# Altium PCB Final_Fantasy.PcbDoc (part 2 of 3)
Units mm, origin at the board's own origin, x right, y up, seen from the top; angles counter-clockwise.
Board outline 152.4 x 101.6 mm, 4 copper layers (Component Side, Ground Plane, Power Plane, Solder Side), stack 0.651 mm thick; 184 components, 159 nets, 718 pads, 120 vias.
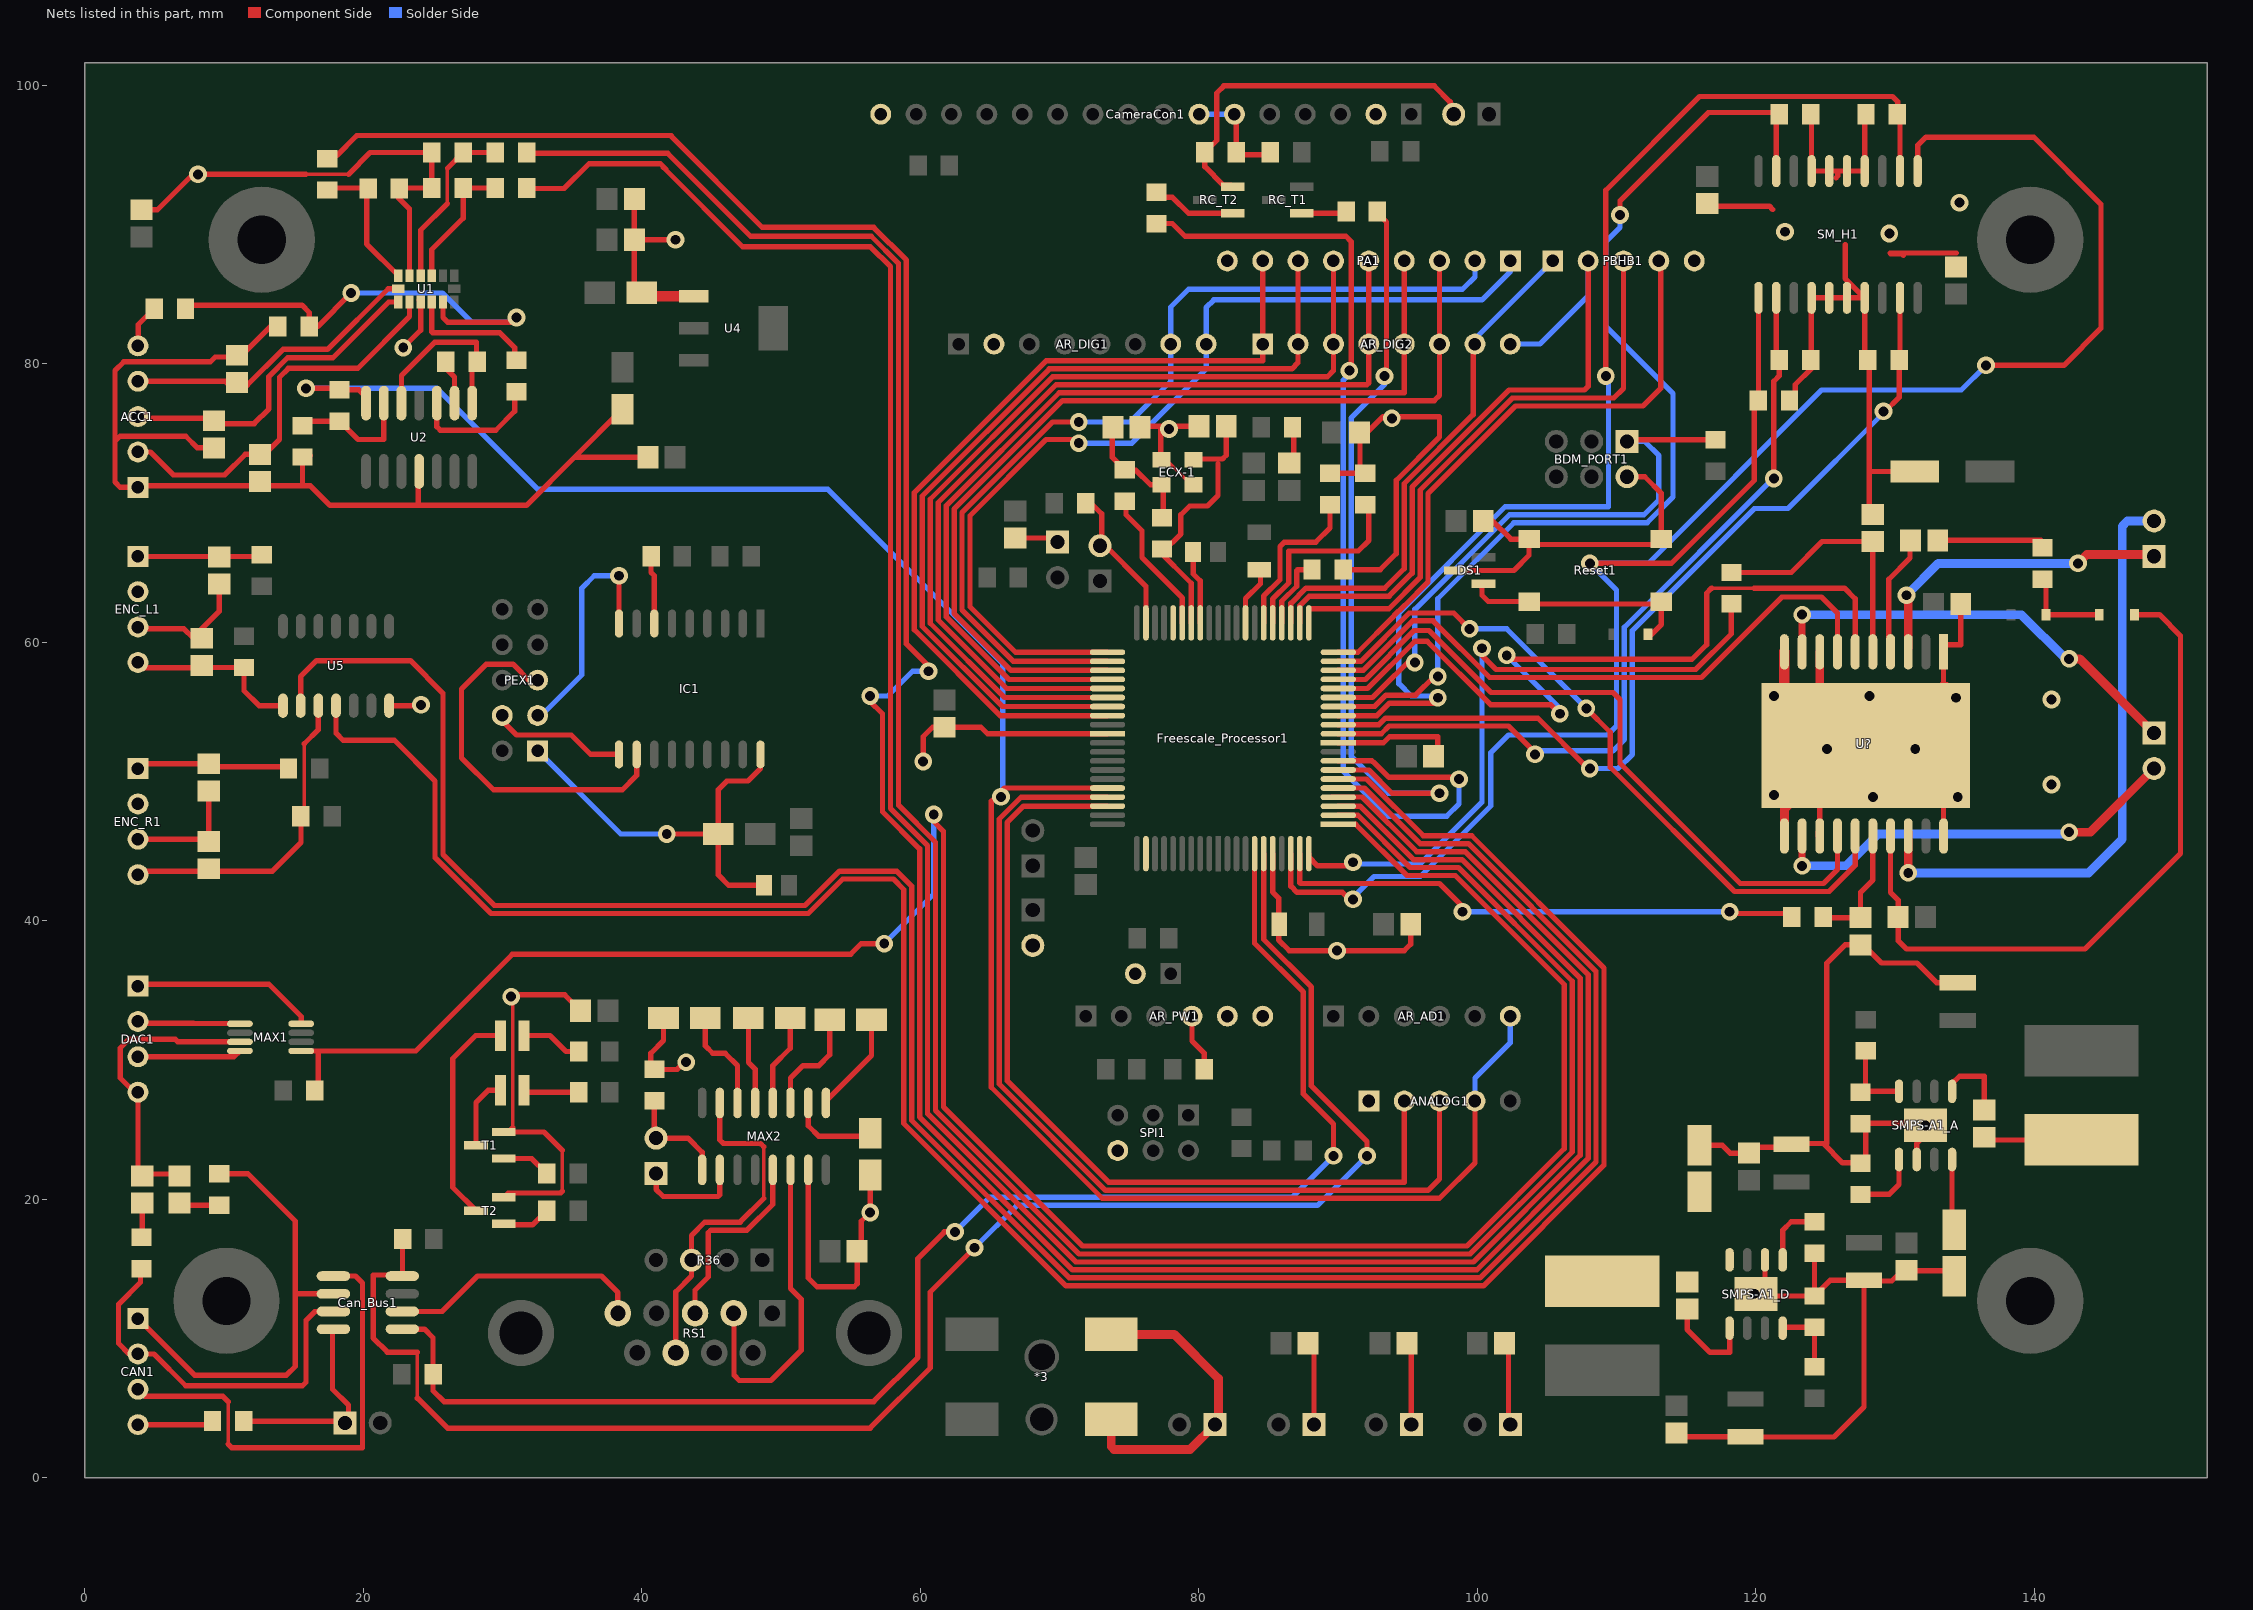
[diagram p4: the nets of this part, all layers, seen from the top]

## Via types
v1: diameter 1.27, hole 0.711, Component Side to Solder Side, 120 vias

## Nets (pads, with @x,y where several pads share a name; then routed paths per layer and width w, separated by ;. In a path a pad name is that pad's centre, name@x,y a point inside that pad or via, vN(x,y) a via of type N, cw(c..) or ccw(c..) an arc to the next point about the centre after c; other vN are vias at no path point) (continued)
AD5: ANALOG1.4 AR_AD1.6 Freescale_Processor1.56 R9.1 U2.7 | length 152.2
  Component Side w0.381: v1@16.129,78.105 16.256,78.232 18.18,78.232 R9.1@18.288,78.124 19.667,78.124 20.193,77.598 U2.7@20.193,77.163 ; Freescale_Processor1.56@73.437,49.524 66.034,49.524 65.087,48.578 65.087,28.038 73.06,20.066 97.282,20.066 99.822,22.606 ANALOG1.4@99.822,26.67
  Solder Side w0.381: v1(15.875,78.232) 25.273,78.232 32.512,70.993 53.34,70.993 65.913,58.42 65.913,49.022 v1(65.786,48.895) ; ANALOG1.4@99.822,27.051 99.822,28.702 102.362,31.242 AR_AD1.6@102.362,33.147
AD6: ANALOG1.3 Freescale_Processor1.57 | length 67.8
  Component Side w0.381: Freescale_Processor1.57@73.437,48.874 67.243,48.874 65.659,47.29 65.659,28.275 73.296,20.637 96.456,20.637 97.282,21.463 ANALOG1.3@97.282,26.67
AD7: ANALOG1.2 Freescale_Processor1.58 | length 63.2
  Component Side w0.381: Freescale_Processor1.58@73.437,48.224 67.401,48.224 66.23,47.053 66.23,28.511 73.533,21.209 94.742,21.209 ANALOG1.2@94.742,26.67
CTS: MAX2.7 R36.3 RS1.8 | length 24.9
  Component Side w0.254: 48.75,20.048 48.75,23.767
  Component Side w0.381: RS1.8@42.43,8.969 42.43,13.347 43.561,14.478 R36.3@43.561,15.621 43.561,17.399 44.514,18.351 47.053,18.351 48.75,20.048 ; MAX2.7@45.593,26.911 45.593,24.257 45.847,24.003 48.514,24.003 48.75,23.767
DAC_CS: Freescale_Processor1.1 MAX1.1 R18.1 | length 163.2
  Component Side w0.381: MAX1.1@15.535,30.648 16.764,30.648 ; R18.1@16.256,28.067 16.51,28.067 16.764,28.321 16.764,30.648 ; v1(57.404,38.354) 55.753,38.354 54.991,37.592 30.699,37.592 23.755,30.648 16.764,30.648 ; v1(60.96,47.625) 60.96,47.117 61.658,46.419 61.658,26.618 71.639,16.637 99.245,16.637 106.236,23.628 106.236,35.416 98.408,43.243 94.932,43.243 Freescale_Processor1.1@91.253,46.923
  Solder Side w0.381: v1(57.404,38.354) 60.96,41.91 v1(60.96,47.625)
GND: *3.2 *3.3 ACC1.1 ANALOG1.1 AR_DIG1.2 AR_PW1.4 AR_PW1.5 AR_PW1.6 BDM_PORT1.2 C1.2 C2.2 C3.2 C4.1 C5.1 C6.1 C9.1 C10.1 C11.1 C12.1 C13.1 C14.1 C15.1 C16.1 C17.1 C18.1 C19.1 C20.1 C21.1 C22.1 C24.1 C25.2 C26.2 C28.2 C30.1 C31.1 C32.1 C33.1 C34.1 C35.2 C36.2 C37.2 C38.1 C40.1 C42.2 C43.2 C44_A.2 C44_D.2 C45_A.2 C45_D.2 C47_A.1 C47_D.1 C48.1 C49.1 C50.2 C51.2 CameraCon1.2 CameraCon1.6 CameraCon1.7 CameraCon1.16 CAN1.4 Can_Bus1.2 CFil_1.2 CFil_2.2 D6_A.2 D6_D.2 DAC1.4 DS1.3 ECX-1.2 ECX-1.4 ENC_L1.3 ENC_R1.3 Freescale_Processor1.10 Freescale_Processor1.28 Freescale_Processor1.33 Freescale_Processor1.36 Freescale_Processor1.50 Freescale_Processor1.62 Freescale_Processor1.76 IC1.18 MAX1.7 MAX2.15 NO_AUTO1.1 PA1.9 PBHB1.5 PEX1.1 R1.1 R2.1 R6.2 R10.2 R11.2 R15.1 R21.2 R26.1 R32.1 R33.1 R38.1 R42.1 R43.1 R44.1 R45.1 R46.2 R49.1 R50.1 R51_A.2 R51_D.2 R53_A.1 R53_D.1 Reset1.1 Reset1.2 ROMCTL1.2 RS1.5 SM_H1.4 SM_H1.5 SM_H1.6 SM_H1.7 SM_H1.14 SM_H1.15 SM_H1.16 SM_H1.17 SMPS-A1_A.6 SMPS-A1_A.9 SMPS-A1_D.6 SMPS-A1_D.9 SPI1.6 T1.2 T2.2 U1.5 U1.10 U2.11 U4.1 U5.7 U?.1 U?.8 U?.10 U?.11 U?.13 U?.20 V1.1 VA1.1 VD1.1 VIN_IN1.1 VRL_EN1.2 | length 650.1
  Component Side w0.254: 15.875,93.599 18.923,93.599 ; 30.734,25.146 v1@30.734,34.671 ; 34.29,20.574 34.29,23.508 ; ECX-1.4@77.642,73.107 ECX-1.2@79.442,71.307
  Component Side w0.381: 2.286,74.549 2.528,74.791 7.239,74.791 8.075,73.955 C2.2@9.271,73.955 ; CAN1.4@3.81,3.81 8.654,3.81 R15.1@9.289,4.445 ; ENC_R1.3@3.81,45.847 8.722,45.847 C51.2@8.89,45.679 C49.1@8.89,49.317 ; ENC_L1.3@3.81,61.087 3.937,60.96 7.112,60.96 7.788,60.284 C50.2@8.382,60.284 8.382,60.96 9.652,62.23 9.652,63.922 C48.1@9.017,64.557 ; ACC1.1@3.81,71.12 2.54,71.12 2.159,71.501 2.159,79.502 2.794,80.137 9.017,80.137 9.357,80.477 11.135,80.477 13.335,82.677 R10.2@13.861,82.677 ; ACC1.1@3.81,71.628 4.211,71.227 15.621,71.227 ; C4.1@4.064,91.055 5.203,91.055 7.747,93.599 v1(8.128,93.599) 15.875,93.599 ; C6.1@4.126,21.676 C6.1@4.126,21.803 ; C5.1@6.309,21.803 C6.1@4.126,21.803 ; MAX1.7@11.135,31.298 6.675,31.298 6.477,31.496 3.175,31.496 2.54,30.861 2.54,28.702 3.81,27.432 3.81,22.119 C6.1@4.126,21.803 ; R6.2@16.199,73.404 15.621,72.826 15.621,71.227 ; 18.923,93.599 20.484,95.16 R1.1@24.91,95.16 ; U5.7@21.844,55.443 24.074,55.443 v1(24.13,55.499) ; Can_Bus1.2@22.795,11.938 25.654,11.938 28.194,14.478 37.084,14.478 38.275,13.287 RS1.5@38.275,11.809 ; v1(22.86,81.153) 24.111,82.404 U1.10@24.111,84.431 U1.10@23.992,84.55 ; U1.5@23.311,86.331 23.311,91.116 22.479,91.948 22.479,92.62 R11.2@24.91,92.62 R1.1@24.91,95.142 ; U2.11@24.003,72.263 23.946,72.206 23.946,69.83 ; T2.2@30.083,20.127 30.403,20.447 34.163,20.447 34.29,20.574 ; T1.2@30.083,24.826 T1.2@30.414,24.826 ; 30.734,25.146 T1.2@30.414,24.826 ; v1@30.734,34.671 34.458,34.671 C26.2@35.601,33.528 ; 34.29,23.508 32.972,24.826 T1.2@30.414,24.826 ; C43.2@38.608,76.732 35.155,73.279 ; CFil_1.2@39.456,91.821 CFil_2.2@39.456,88.9 ; C42.2@39.902,85.011 39.456,85.456 CFil_2.2@39.456,88.9 ; C22.1@40.427,73.279 35.155,73.279 ; R38.1@40.64,29.319 40.64,30.48 41.553,31.393 C30.1@41.553,33.02 ; R38.1@40.894,29.319 42.527,29.319 v1@42.926,29.718 ; v1(41.783,46.228) C25.2@45.49,46.228 ; v1@42.672,88.9 v1(42.418,88.9) CFil_2.2@39.456,88.9 ; IC1.18@48.514,51.943 48.514,50.927 47.625,50.038 46.101,50.038 45.49,49.427 C25.2@45.49,46.228 ; C24.1@48.757,42.545 46.228,42.545 45.49,43.283 C25.2@45.49,46.228 ; MAX2.15@51.943,22.111 51.943,14.351 52.578,13.716 55.245,13.716 55.458,13.929 C20.1@55.458,16.256 55.753,16.551 55.753,18.415 v1(56.388,19.05) C28.2@56.388,21.741 ; v1(60.198,51.435) 60.198,53.213 60.874,53.889 C13.1@61.722,53.889 64.348,53.889 64.811,53.426 Freescale_Processor1.50@73.437,53.426 ; C21.1@66.802,67.478 69.555,67.478 NO_AUTO1.1@69.85,67.183 ; C16.1@75.778,75.438 75.838,75.498 v1@77.267,75.498 ; ECX-1.4@77.642,73.107 ECX-1.4@77.308,73.107 77.267,73.148 v1@77.267,75.498 ; ECX-1.2@79.442,71.307 ECX-1.2@79.608,71.307 ; AR_PW1.4@79.502,33.147 79.502,31.369 80.373,30.498 R26.1@80.373,29.337 ; C10.1@79.583,66.481 79.594,66.47 79.594,64.911 80.097,64.408 Freescale_Processor1.33@80.097,61.386 ; C15.1@80.016,75.498 v1@77.267,75.498 ; CameraCon1.6@82.55,97.917 82.675,97.792 R50.1@82.675,95.184 ; R50.1@82.677,95.014 85.081,95.014 R49.1@85.124,95.057 ; Freescale_Processor1.28@83.348,61.386 83.348,63.123 84.42,64.195 C14.1@84.42,65.131 ; Freescale_Processor1.76@85.299,44.815 85.299,42.061 85.725,41.635 85.725,38.608 86.487,37.846 v1(89.916,37.846) 94.742,37.846 95.209,38.313 C19.1@95.209,39.751 ; C32.1@87.843,9.652 88.265,9.23 VA1.1@88.265,3.81 ; R33.1@89.535,72.136 R32.1@91.562,72.136 ; Freescale_Processor1.10@90.008,52.776 93.254,52.776 93.691,53.213 97.155,53.213 97.155,52.111 C11.1@96.86,51.816 ; R21.2@90.371,65.211 93.024,65.211 94.17,66.358 94.17,71.622 97.282,74.734 97.282,76.2 93.218,76.2 91.567,74.549 91.567,72.583 91.562,72.577 R32.1@91.562,72.136 ; C31.1@94.701,9.652 95.25,9.103 VD1.1@95.25,3.81 ; DS1.3@98.298,65.151 DS1.3@98.441,65.151 102.616,65.151 103.708,66.243 103.708,67.02 113.208,67.02 Reset1.2@113.208,67.401 113.208,70.688 112.014,71.882 BDM_PORT1.2@110.744,71.882 ; C17.1@100.416,68.707 101.092,68.707 102.398,67.401 Reset1.1@103.708,67.401 ; C33.1@101.94,9.652 102.235,9.357 102.235,3.937 V1.1@102.362,3.81 ; C18.1@114.3,3.216 114.3,3.048 114.398,2.95 C47_D.1@119.253,2.95 119.282,2.921 125.603,2.921 127.762,5.08 C44_A.2@127.762,14.169 ; D6_D.2@115.951,23.882 117.578,23.882 118.151,23.309 C45_D.2@119.507,23.309 119.507,23.731 122.221,23.731 C44_D.2@122.555,24.065 ; C34.1@116.504,91.5 116.691,91.313 120.968,91.313 121.203,91.078 ; SMPS-A1_D.6@120.65,15.64 120.65,13.825 SMPS-A1_D.9@120.015,13.19 120.16,13.045 R51_D.2@124.206,13.045 ; C44_D.2@122.62,24.003 124.841,24.003 126.231,22.613 127.889,22.613 127.889,25.419 127.865,25.443 132.038,25.443 v1(132.183,25.298) 132.183,24.639 131.548,24.004 SMPS-A1_A.6@131.548,22.848 ; R46.2@122.825,77.587 122.825,78.502 123.979,79.656 123.979,84.713 SM_H1.4@123.997,84.731 SM_H1.5@125.267,84.731 SM_H1.6@126.537,84.731 SM_H1.7@127.807,84.731 ; R45.1@123.934,97.917 123.997,97.854 SM_H1.17@123.997,93.831 SM_H1.16@125.267,93.831 125.875,93.831 ; R53_D.1@124.206,16.129 R51_D.2@124.206,13.045 ; U?.13@124.587,46.333 124.587,48.827 125.095,48.827 U?.1@125.222,48.954 ; U?.8@124.587,59.309 U?.8@124.587,59.563 ; 125.095,24.003 125.095,36.957 126.406,38.268 C40.1@127.508,38.268 127.721,38.268 129.032,36.957 131.572,36.957 132.991,35.538 C47_A.1@134.493,35.538 ; 125.748,93.345 125.875,93.472 125.875,93.831 ; 126.41,88.538 126.41,86.128 SM_H1.7@127.807,84.731 ; R43.1@127.907,97.917 127.807,97.817 SM_H1.14@127.807,93.831 SM_H1.15@126.537,93.831 125.875,93.831 ; C36.2@128.397,69.174 128.143,69.428 128.143,72.263 ; 130.601,87.776 130.474,87.903 129.675,87.903 129.63,87.948 134.411,87.948 ; C37.2@131.412,72.263 128.143,72.263 ; U?.20@133.477,46.333 U?.1@133.477,48.895 ; U?.1@134.052,49.982 134.052,50.486 134.502,50.936 132.715,52.722 132.715,55.934 133.724,56.943 133.35,56.943 133.477,57.07 U?.1@133.477,59.309 133.477,59.563 133.731,59.817 134.706,59.817 C38.1@134.706,62.738 C38.1@134.706,63.119 ; D6_A.2@134.366,14.479 133.986,14.859 130.876,14.859 130.683,15.052 129.753,14.122 127.809,14.122 C44_A.2@127.762,14.169 ; 15.621,71.227 16.199,71.227 17.596,69.83 23.946,69.83 ; 23.946,69.83 31.706,69.83 35.155,73.279 ; R32.1@91.562,72.136 91.841,72.136 91.562,71.856 R32.1@91.562,72.136 ; R51_D.2@124.206,13.045 125.33,14.169 C44_A.2@127.762,14.169 ; SM_H1.7@127.807,84.731 127.807,80.491 R44.1@128.034,80.264 128.143,80.155 128.143,72.263
  Component Side w0.635: *3.2@73.707,4.191 73.707,2.239 73.914,2.032 79.375,2.032 VIN_IN1.1@81.153,3.81 81.407,4.064 81.407,7.112 78.228,10.291 *3.3@73.707,10.291 ; U?.11@122.047,46.079 122.047,48.006 126.619,52.578 U?.1@127.889,52.578 ; U?.13@124.587,46.079 U?.13@124.587,46.333 ; U?.1@124.587,48.827 124.587,49.276 U?.1@127.889,52.578 ; U?.8@124.587,59.309 124.587,55.88 U?.1@127.889,52.578
  Component Side w0.762: C42.2@39.981,85.09 40.221,84.85 U4.1@43.727,84.85 ; U?.1@122.047,56.261 U?.10@122.047,59.309
  Solder Side w0.381: PEX1.1@32.639,52.072 38.483,46.228 v1(41.783,46.228) v1@41.91,46.228 ; CameraCon1.7@80.01,97.917 CameraCon1.6@82.55,97.917
  other v1: 119.888,13.208 43.18,29.845 30.607,34.544 128.397,48.895 134.493,48.895 121.285,49.022 141.224,49.784 125.095,52.324 131.445,52.324 141.224,55.88 134.366,56.007 121.285,56.134 128.143,56.134 77.851,75.311 93.853,76.073 129.585,89.345 122.092,89.472 134.62,91.567
IRQ: Freescale_Processor1.39 INT1.2 R28.1 | length 10.8
  Component Side w0.381: R28.1@71.864,69.977 72.263,69.977 73.025,69.215 73.025,67.31 72.898,67.183 73.025,67.183 76.195,64.013 Freescale_Processor1.39@76.195,61.386
MODA: Freescale_Processor1.26 R33.2 | length 11.8
  Component Side w0.381: Freescale_Processor1.26@84.648,61.386 84.648,63.312 85.817,64.481 85.817,66.862 86.137,67.183 88.392,67.183 89.408,68.199 R33.2@89.408,69.868
MODB: Freescale_Processor1.25 R32.2 | length 14.4
  Component Side w0.381: Freescale_Processor1.25@85.299,61.386 85.299,63.103 86.452,64.256 86.452,66.548 91.44,66.548 92.202,67.31 92.202,69.614 R32.2@91.948,69.868
MODC-BK: BDM_PORT1.1 Freescale_Processor1.15 R30.2 | length 43.9
  Component Side w0.381: Freescale_Processor1.15@90.008,56.027 92.464,56.027 93.206,56.769 93.218,56.769 94.996,58.547 v1(95.504,58.547) ; BDM_PORT1.1@110.744,74.422 110.853,74.531 R30.2@117.094,74.531 R30.2@117.602,74.531
  Solder Side w0.381: v1(95.504,58.547) 95.504,62.357 102.298,69.151 111.95,69.151 113.03,70.231 113.03,73.406 112.014,74.422 BDM_PORT1.1@110.744,74.422
NetACC1_2: ACC1.2 C3.1 U1.9 | length 28.6
  Component Side w0.381: ACC1.2@3.81,73.66 4.699,73.66 6.35,72.009 10.033,72.009 11.516,73.492 C3.1@12.573,73.492 12.913,73.492 13.97,74.549 13.97,79.029 14.607,79.666 19.595,79.666 23.311,83.382 U1.9@23.311,84.431
NetACC1_3: ACC1.3 C2.1 U1.8 | length 23.9
  Component Side w0.381: ACC1.3@3.81,76.2 3.937,76.073 9.144,76.073 9.525,75.692 12.155,75.692 13.208,76.745 13.208,79.075 14.561,80.428 17.817,80.428 21.82,84.431 U1.8@22.503,84.431
NetACC1_4: ACC1.4 C1.1 U1.7 | length 21.3
  Component Side w0.381: ACC1.4@3.81,78.74 10.074,78.74 C1.1@10.287,78.527 ; C1.1@10.668,78.458 11.656,78.458 14.224,81.026 17.427,81.026 21.782,85.381 U1.7@22.511,85.381
NetACC1_5: ACC1.5 R7.1 | length 3
  Component Side w0.381: ACC1.5@3.955,81.425 3.828,81.552 3.828,82.804 R7.1@4.971,83.947
NetC5_2: C5.2 R16.1 | length 2.9
  Component Side w0.381: C5.2@6.793,19.726 6.943,19.576 R16.1@9.652,19.576
NetC6_2: C6.2 R17.1 | length 2.5
  Component Side w0.381: R17.1@3.999,17.254 4.126,17.381 C6.2@4.126,19.726
NetC7_2: C7.2 R19.1 | length 2.7
  Component Side w0.381: R19.1@86.815,75.371 86.815,72.681 C7.2@86.848,72.648
NetC15_2: C15.2 ECX-1.3 Freescale_Processor1.34 R23.2 | length 19.6
  Component Side w0.381: R23.2@77.089,66.591 79.446,64.234 Freescale_Processor1.34@79.446,61.386 ; R23.2@77.435,66.499 78.705,67.769 78.705,69.148 79.34,69.783 80.61,69.783 81.372,70.545 81.372,72.831 ; ECX-1.3@79.608,72.853 79.906,73.152 81.692,73.152 81.966,73.425 C15.2@81.966,75.498
NetC16_2: C16.2 ECX-1.1 R23.1 R25.2 | length 9.5
  Component Side w0.381: C16.2@73.406,75.184 74.041,75.184 73.787,74.93 73.787,73.261 R25.2@74.676,72.372 75.456,72.372 76.521,71.307 ECX-1.1@77.308,71.307 ; R23.1@76.927,68.767 77.435,69.275 77.435,70.926 ECX-1.1@77.308,71.053
NetC27_1: C27.1 MAX2.1 | length 7.6
  Component Side w0.381: MAX2.1@53.213,26.911 MAX2.1@53.213,27.051 ; MAX2.1@53.213,27.305 MAX2.1@53.213,27.051 ; C27.1@56.491,32.893 56.491,30.329 MAX2.1@53.213,27.051
NetC27_2: C27.2 MAX2.3 | length 7.8
  Component Side w0.381: MAX2.3@50.673,26.911 50.673,28.702 51.562,29.591 52.705,29.591 53.491,30.377 C27.2@53.491,32.893
NetC28_1: C28.1 MAX2.2 | length 6.7
  Component Side w0.381: MAX2.2@51.943,26.911 51.943,25.273 52.705,24.511 C28.1@56.666,24.511
NetC29_1: C29.1 MAX2.4 | length 6.6
  Component Side w0.381: MAX2.4@49.403,26.911 49.403,29.591 50.649,30.837 C29.1@50.649,33.02
NetC29_2: C29.2 MAX2.5 | length 6.3
  Component Side w0.381: C29.2@47.649,33.02 47.649,29.821 48.133,29.337 MAX2.5@48.133,26.911
NetC30_2: C30.2 MAX2.6 | length 7.6
  Component Side w0.381: C30.2@44.553,33.02 44.553,31.012 45.085,30.48 45.974,30.48 46.863,29.591 MAX2.6@46.863,26.911
NetC36_1: C36.1 R47.1 U?.5 | length 18.8
  Component Side w0.381: R47.1@118.237,65.006 122.537,65.006 124.755,67.224 C36.1@128.397,67.224 128.397,59.563 U?.5@128.356,59.604
NetC39_1: C39.1 Rp1.2 | length 8.1
  Component Side w0.381: C39.1@133.055,67.31 140.444,67.31 Rp1.2@140.97,66.784
NetC39_2: C39.2 U?.4 | length 8.4
  Component Side w0.381: U?.4@129.667,59.563 129.54,59.69 129.54,64.516 131.064,66.04 131.064,67.269 C39.2@131.105,67.31
NetC40_2: C40.2 R48.1 U?.16 | length 9.1
  Component Side w0.381: R48.1@124.95,40.259 124.991,40.218 C40.2@127.508,40.218 127.508,42.037 128.397,42.926 U?.16@128.397,46.079 U?.16@128.397,46.333
NetC41_2: C41.2 D5.K U?.17 | length 50.9
  Component Side w0.381: U?.17@129.667,46.333 U?.17@129.667,46.079 129.667,42.037 130.216,41.488 C41.2@130.216,40.259 130.216,38.567 130.81,37.973 143.637,37.973 150.495,44.831 150.495,60.452 148.971,61.976 D5.K@147.187,61.976
NetC46_A_1: C46_A.1 D6_A.1 L2_A.1 SMPS-A1_A.8 | length 12.7
  Component Side w0.381: D6_A.1@134.088,17.249 SMPS-A1_A.8@134.088,22.848 ; C46_A.1@136.398,24.45 136.591,24.257 L2_A.1@143.383,24.257
NetC46_A_2: C46_A.2 SMPS-A1_A.1 | length 5.5
  Component Side w0.381: SMPS-A1_A.1@134.088,27.748 134.088,28.297 134.62,28.829 136.398,28.829 C46_A.2@136.398,26.4
NetC46_D_1: C46_D.1 D6_D.1 L2_D.1 SMPS-A1_D.8
NetC46_D_2: C46_D.2 SMPS-A1_D.1 | length 7
  Component Side w0.381: C46_D.2@115.316,12.088 115.062,11.834 115.062,10.65 116.713,8.999 118.11,8.999 SMPS-A1_D.1@118.11,10.74
NetC48_2: C48.2 ENC_L1.1 R54.2 | length 9
  Component Side w0.381: ENC_L1.1@3.81,66.167 3.828,66.149 12.573,66.149 R54.2@12.7,66.276
NetC49_2: C49.2 ENC_R1.1 R55.2 | length 11.1
  Component Side w0.381: ENC_R1.1@3.81,50.927 4.15,51.267 8.677,51.267 8.89,51.054 14.496,51.054 R55.2@14.623,51.181
NetC50_1: C50.1 ENC_L1.4 R56.1 U5.1 | length 12.8
  Component Side w0.381: ENC_L1.4@3.81,58.547 4.191,58.166 8.214,58.166 C50.1@8.382,58.334 8.532,58.184 R56.1@11.43,58.184 11.43,56.515 12.502,55.443 U5.1@14.224,55.443
NetC51_1: C51.1 ENC_R1.4 R57.1 U5.3 | length 23
  Component Side w0.254: R57.1@15.748,47.734 15.748,52.705
  Component Side w0.381: ENC_R1.4@3.81,43.307 4.064,43.561 13.462,43.561 15.512,45.611 R57.1@15.512,47.498 R57.1@15.748,47.734 ; 15.748,52.705 16.764,53.721 U5.3@16.764,55.443
NetCAN1_1: CAN1.1 Can_Bus1.6 R16.2 | length 33.3
  Component Side w0.381: CAN1.1@3.81,11.43 7.874,7.366 14.478,7.366 15.113,8.001 15.113,13.081 ; R16.2@9.652,21.826 11.702,21.826 15.113,18.415 15.113,13.081 ; Can_Bus1.6@17.78,13.208 15.24,13.208 15.113,13.081
NetCAN1_2: CAN1.2 Can_Bus1.7 R17.2 | length 27.5
  Component Side w0.381: R17.2@3.999,15.004 3.999,14.032 2.413,12.446 2.413,9.652 3.175,8.89 CAN1.2@3.81,8.89 4.953,8.89 7.239,6.604 15.621,6.604 15.875,6.858 15.875,11.303 16.51,11.938 Can_Bus1.7@17.78,11.938
NetCAN1_3: CAN1.3 Can_Bus1.5 | length 33.8
  Component Side w0.254: 10.287,2.413 10.287,5.461
  Component Side w0.381: CAN1.3@3.81,6.35 4.318,5.842 9.906,5.842 10.287,5.461 ; 10.287,2.413 10.541,2.159 19.939,2.159 19.939,13.97 19.431,14.478 Can_Bus1.5@17.845,14.478 Can_Bus1.5@17.78,14.478
NetCan_Bus1_1: Can_Bus1.1 Freescale_Processor1.74 R14.1 | length 106.8
  Component Side w0.381: Can_Bus1.1@22.73,10.668 Can_Bus1.1@22.795,10.668 24.384,10.668 25.001,10.051 R14.1@25.001,7.429 25.001,6.241 25.781,5.461 56.642,5.461 59.817,8.636 59.817,15.748 61.722,17.653 v1(62.484,17.653) ; Freescale_Processor1.74@83.998,44.815 83.998,38.384 87.503,34.879 87.503,27.559 89.662,25.4 v1(89.662,23.114)
  Solder Side w0.381: v1(62.484,17.653) 64.96,20.129 86.677,20.129 v1(89.662,23.114)
NetCan_Bus1_4: Can_Bus1.4 Freescale_Processor1.75 R13.1 | length 121.3
  Component Side w0.254: 23.876,5.715 23.876,9.017
  Component Side w0.381: R13.1@22.813,17.145 22.813,14.561 20.701,14.561 20.701,10.033 21.717,9.017 23.876,9.017 ; 23.876,5.715 26.035,3.556 56.388,3.556 60.706,7.874 60.706,13.335 v1(63.881,16.51) ; Freescale_Processor1.75@84.648,44.815 84.648,38.669 88.075,35.242 88.075,28.13 92.075,24.13 v1(92.075,23.114)
  Solder Side w0.381: v1(63.881,16.51) 66.929,19.558 88.519,19.558 v1(92.075,23.114)
NetCan_Bus1_8: Can_Bus1.8 P1.1 R15.2 | length 14.6
  Component Side w0.381: R15.2@11.539,4.445 11.92,4.064 18.923,4.064 18.923,5.207 17.78,6.35 Can_Bus1.8@17.78,10.668
NetCTS_RTS1_1: CTS_RTS1.1 MAX2.10 | length 8.2
  Component Side w0.381: CTS_RTS1.1@41.021,22.225 CTS_RTS1.1@41.021,21.844 41.021,20.701 41.529,20.193 45.466,20.193 45.593,20.32 MAX2.10@45.593,22.111
NetCTS_RTS1_2: CTS_RTS1.2 MAX2.9 R38.2 | length 7.5
  Component Side w0.381: R38.2@40.894,27.069 40.894,24.892 41.402,24.384 43.307,24.384 44.323,23.368 MAX2.9@44.323,22.111
NetD1_K: D1.K DS1.1 Reset1.3 Reset1.4 | length 16.8
  Component Side w0.381: DS1.1@100.06,64.201 100.33,63.931 100.33,63.373 100.774,62.928 103.299,62.928 103.49,62.738 113.208,62.738 113.208,61.265 D1.K@112.328,60.385
NetD2_1: D2.1 T1.3 | length 5.2
  Component Side w0.381: T1.3@28.083,23.876 28.083,26.94 28.956,27.813 D2.1@29.845,27.813
NetD2_2: D2.2 R34.2 | length 4
  Component Side w0.381: D2.2@31.545,27.813 31.672,27.686 R34.2@35.451,27.686
NetD3_1: D3.1 T2.3 | length 15.7
  Component Side w0.381: T2.3@28.083,19.177 26.416,20.844 26.416,30.099 28.067,31.75 D3.1@29.845,31.75
NetD3_2: D3.2 R39.1 | length 4.4
  Component Side w0.381: D3.2@31.545,31.75 33.401,31.75 34.544,30.607 R39.1@35.451,30.607
NetD4_K: D4.K D5.A Rp1.1 | length 6.4
  Component Side w0.381: Rp1.1@140.97,64.534 140.837,64.401 D4.K@140.837,61.976 D5.A@144.659,61.976
NetDAC1_1: DAC1.1 MAX1.4 | length 13.2
  Component Side w0.381: DAC1.1@3.81,35.306 3.937,35.433 13.208,35.433 15.535,33.106 MAX1.4@15.535,32.598
NetDAC1_2: DAC1.2 MAX1.5 | length 6.8
  Component Side w0.381: DAC1.2@4.064,32.639 7.665,32.639 ; 7.792,32.639 7.665,32.639 ; MAX1.5@10.754,32.598 7.665,32.639
NetDAC1_3: DAC1.3 MAX1.8 | length 7.5
  Component Side w0.381: DAC1.3@3.81,30.226 10.713,30.226 MAX1.8@11.135,30.648
NetDCL1_1: DCL1.1 U?.3 | length 22
  Component Side w0.381: DCL1.1@148.463,66.294 DCL1.1@148.59,66.167
  Component Side w0.635: U?.3@130.937,59.563 v1@130.937,62.865 ; v1(143.129,65.659) 143.764,66.294 DCL1.1@148.463,66.294
  Solder Side w0.635: v1(130.81,63.373) 133.096,65.659 v1@142.748,65.659
NetDCL1_2: DCL1.2 U?.18 | length 43.8
  Component Side w0.635: v1@130.937,43.815 U?.18@130.937,46.079 U?.18@130.937,46.333
  Solder Side w0.635: v1(130.937,43.434) 143.891,43.434 146.304,45.847 146.304,68.326 146.685,68.707 DCL1.2@148.59,68.707
NetDCR1_1: DCR1.1 U?.9 | length 31.2
  Component Side w0.508: U?.9@123.317,59.563 v1(123.317,61.976)
  Component Side w0.635: v1(142.494,58.801) 143.256,58.801 DCR1.1@148.59,53.467
  Solder Side w0.635: v1(123.317,61.976) 139.065,61.976 142.24,58.801 v1(142.494,58.801)
NetDCR1_2: DCR1.2 U?.12 | length 30.3
  Component Side w0.508: v1@123.317,44.196 U?.12@123.317,46.079 U?.12@123.317,46.333
  Component Side w0.635: v1(142.494,46.355) 144.018,46.355 DCR1.2@148.59,50.927
  Solder Side w0.635: v1(123.317,43.942) 126.492,43.942 128.778,46.228 142.367,46.228 v1(142.494,46.355)
NetENC_L1_2: ENC_L1.2
NetENC_R1_2: ENC_R1.2
NetFreescale_Processor1_2: Freescale_Processor1.2 R4.1 | length 178.9
  Component Side w0.381: R4.1@31.732,95.16 31.789,95.103 41.853,95.103 47.802,89.154 56.469,89.154 58.42,87.203 58.42,48.298 61.087,45.631 61.087,26.381 71.402,16.065 99.482,16.065 106.807,23.391 106.807,35.652 98.644,43.815 95.169,43.815 91.411,47.574 Freescale_Processor1.2@90.008,47.574
NetFreescale_Processor1_3: Freescale_Processor1.3 R5.1 | length 181.8
  Component Side w0.381: R5.1@31.732,92.62 31.769,92.583 34.417,92.583 36.195,94.361 41.325,94.361 41.726,93.96 ; 41.529,94.107 47.244,88.392 56.423,88.392 57.848,86.966 57.848,48.061 60.515,45.394 60.515,26.144 71.166,15.494 99.718,15.494 107.379,23.154 107.379,35.889 98.881,44.386 95.406,44.386 91.569,48.224 Freescale_Processor1.3@90.008,48.224
NetFreescale_Processor1_4: Freescale_Processor1.4 R3.1 | length 204.8
  Component Side w0.381: R3.1@18.104,94.958 19.52,96.374 41.736,96.394 42.086,96.394 42.107,96.373 ; 42.082,96.348 48.641,89.789 56.642,89.789 58.991,87.439 58.991,59.88 60.579,58.293 v1(60.579,57.912) ; v1(56.388,56.134) 56.388,55.753 57.277,54.864 57.277,47.825 59.944,45.158 59.944,25.908 70.929,14.922 99.955,14.922 107.95,22.917 107.95,36.126 99.118,44.958 95.643,44.958 91.72,48.88 Freescale_Processor1.4@89.535,48.88
  Solder Side w0.381: v1(56.388,56.134) 57.658,56.134 59.436,57.912 v1(60.579,57.912)
NetFreescale_Processor1_5: Freescale_Processor1.5 U5.2 | length 173.7
  Component Side w0.381: U5.2@15.494,55.443 15.494,57.531 16.637,58.674 23.368,58.674 25.717,56.325 25.717,44.767 29.4,41.084 51.706,41.084 54.183,43.561 58.293,43.561 59.372,42.481 59.372,25.671 70.692,14.351 100.192,14.351 108.521,22.681 108.521,36.363 99.355,45.529 95.879,45.529 91.885,49.524 Freescale_Processor1.5@90.008,49.524
NetFreescale_Processor1_6: Freescale_Processor1.6 U5.4 | length 167.1
  Component Side w0.381: U5.4@18.034,55.443 18.034,53.467 18.542,52.959 22.225,52.959 25.146,50.038 25.146,44.531 29.164,40.513 51.943,40.513 54.419,42.989 58.056,42.989 58.801,42.245 58.801,25.434 70.456,13.779 100.429,13.779 109.093,22.444 109.093,36.599 99.591,46.101 96.116,46.101 92.043,50.175 Freescale_Processor1.6@90.008,50.175
NetFreescale_Processor1_7: Freescale_Processor1.7 RC_R1.1 | length 55.9
  Component Side w0.381: Freescale_Processor1.7@90.008,50.825 92.201,50.825 93.876,49.149 v1(97.282,49.149) ; RC_R1.1@92.565,90.551 93.091,90.551 93.472,90.17 93.472,79.248 v1(93.333,79.109)
  Solder Side w0.381: v1(93.333,79.109) 93.333,78.498 90.932,76.097 90.932,51.816 93.599,49.149 v1(97.282,49.149)
NetFreescale_Processor1_8: Freescale_Processor1.8 RC_R2.1 | length 73.3
  Component Side w0.381: RC_R2.1@76.962,90.061 78.087,90.061 78.994,89.154 90.551,89.154 90.932,88.773 v1@90.932,80.01 ; Freescale_Processor1.8@90.008,51.475 92.416,51.475 92.495,51.396 92.541,51.396 93.645,50.292 98.552,50.292 v1(98.679,50.165)
  Solder Side w0.381: v1(90.805,79.502) 90.932,79.375 90.361,78.803 90.361,50.736 93.599,47.498 97.79,47.498 98.679,48.387 v1(98.679,50.165)
NetFreescale_Processor1_11: Freescale_Processor1.11 R42.2 SM_H1.2 | length 58.4
  Component Side w0.381: Freescale_Processor1.11@90.008,53.426 93.096,53.426 93.645,53.975 102.235,53.975 104.14,52.07 v1(104.14,51.943) ; v1(121.285,71.755) 121.285,78.74 121.684,79.139 R42.2@121.684,80.264 121.457,80.491 SM_H1.2@121.457,84.731
  Solder Side w0.381: v1@104.267,51.943 104.521,52.197 109.728,52.197 110.553,53.023 110.553,61.07 121.239,71.755 v1(121.285,71.755)
NetFreescale_Processor1_12: Freescale_Processor1.12 R44.2 SM_H1.9 | length 65.6
  Component Side w0.381: Freescale_Processor1.12@90.008,54.076 92.938,54.076 93.408,54.546 104.331,54.546 107.95,50.927 v1(108.077,50.927) ; v1(129.159,76.581) 129.286,76.581 130.284,77.579 R44.2@130.284,80.264 130.347,80.327 SM_H1.9@130.347,84.731
  Solder Side w0.381: v1(108.077,50.927) 110.109,50.927 111.125,51.943 111.125,60.833 119.888,69.596 122.301,69.596 129.286,76.581 v1(129.159,76.581)
NetFreescale_Processor1_13: Freescale_Processor1.13 R43.2 SM_H1.12 | length 86.2
  Component Side w0.381: Freescale_Processor1.13@90.008,54.726 92.78,54.726 93.68,55.626 v1@97.282,55.626 ; v1(109.22,79.121) 109.22,92.456 115.951,99.187 129.812,99.187 130.175,98.824 130.175,97.917 130.347,97.745 SM_H1.12@130.347,93.831
  Solder Side w0.381: v1@97.536,56.134 95.25,56.134 94.361,57.023 94.361,62.103 101.981,69.723 109.41,69.723 109.41,78.93 v1(109.22,79.121)
  other v1: 97.155,56.007
NetFreescale_Processor1_14: Freescale_Processor1.14 R45.2 SM_H1.19 | length 75.5
  Component Side w0.381: Freescale_Processor1.14@90.008,55.376 92.622,55.376 93.443,56.197 95.567,56.197 96.901,57.531 v1(97.155,57.531) ; v1(110.236,90.678) 110.236,91.694 116.586,98.044 121.557,98.044 R45.2@121.684,97.917 121.684,97.808 121.457,97.581 SM_H1.19@121.457,93.831
  Solder Side w0.381: v1(97.155,57.531) 97.155,63.119 102.616,68.58 112.187,68.58 114.046,70.439 114.046,77.851 109.22,82.677 109.22,88.773 110.236,89.789 v1(110.236,90.678)
NetFreescale_Processor1_16: Freescale_Processor1.16 U?.6 | length 58.4
  Component Side w0.254: 116.824,63.881 119.888,63.881
  Component Side w0.381: Freescale_Processor1.16@90.008,56.677 92.11,56.677 95.504,60.071 96.393,60.071 100.965,55.499 105.283,55.499 v1(105.918,54.864) ; v1@102.134,58.775 115.417,58.775 116.459,59.817 116.459,63.516 116.824,63.881 ; 119.888,63.881 126.365,63.881 127.127,63.119 U?.6@127.127,59.563
  Solder Side w0.381: v1(102.108,59.055) 105.918,55.245 v1(105.918,54.864)
NetFreescale_Processor1_17: Freescale_Processor1.17 U?.14 | length 50.6
  Component Side w0.381: Freescale_Processor1.17@90.008,57.327 91.952,57.327 95.458,60.833 96.529,60.833 100.974,56.388 109.728,56.388 110.236,55.88 110.236,51.308 118.872,42.672 124.841,42.672 125.857,43.688 U?.14@125.857,46.079 U?.14@125.857,46.333
NetFreescale_Processor1_18: Freescale_Processor1.18 U?.7 | length 44.4
  Component Side w0.381: Freescale_Processor1.18@90.008,57.977 91.794,57.977 95.348,61.531 96.818,61.531 100.882,57.468 116.085,57.468 121.864,63.246 124.714,63.246 125.857,62.103 U?.7@125.857,59.563
NetFreescale_Processor1_19: Freescale_Processor1.19 U?.15 | length 51.5
  Component Side w0.381: Freescale_Processor1.19@90.008,58.628 91.631,58.628 95.107,62.103 98.298,62.103 v1(99.441,60.96) ; v1(107.823,55.245) 109.537,53.53 109.537,51.019 118.456,42.1 125.257,42.1 127.127,43.97 U?.15@127.127,46.079 U?.15@127.127,46.333
  Solder Side w0.381: v1(99.441,60.96) 102.108,60.96 v1(107.823,55.245)
NetFreescale_Processor1_24: Freescale_Processor1.24 R21.1 | length 5.7
  Component Side w0.381: Freescale_Processor1.24@85.949,61.386 85.949,62.945 87.023,64.019 87.023,65.148 87.087,65.211 R21.1@88.121,65.211 ; R21.1@87.74,64.957 R21.1@88.103,64.957
NetFreescale_Processor1_35: Freescale_Processor1.35 R25.1 | length 10.3
  Component Side w0.381: R25.1@74.768,69.995 74.768,69.148 75.911,68.005 75.911,66.075 78.809,63.177 78.809,61.399 Freescale_Processor1.35@78.796,61.386
NetFreescale_Processor1_78: Freescale_Processor1.78 R46.1 SM_H1.1 SM_H1.11 | length 143.5
  Component Side w0.381: Freescale_Processor1.78@86.599,44.815 86.599,42.479 87.041,42.037 90.297,42.037 90.805,41.529 v1(91.059,41.529) ; v1(108.077,65.659) 113.919,65.659 119.888,71.628 119.888,77.084 R46.1@120.16,77.356 120.16,77.597 R46.1@120.033,77.724 ; SM_H1.1@120.187,84.731 120.187,77.974 R46.1@120.205,77.956 ; SM_H1.11@131.617,93.831 131.617,95.676 132.207,96.266 139.954,96.266 144.78,91.44 144.78,82.55 142.113,79.883 v1(136.525,79.883)
  Solder Side w0.381: v1@90.805,41.402 92.583,43.18 95.894,43.18 100.965,48.251 100.965,52.07 102.235,53.34 109.347,53.34 109.982,53.975 109.982,63.754 v1(108.077,65.659) 112.268,65.659 124.714,78.105 134.747,78.105 v1(136.525,79.883)
NetFreescale_Processor1_79: Freescale_Processor1.79 R48.2 | length 38.7
  Component Side w0.381: Freescale_Processor1.79@87.249,44.815 87.249,42.735 87.312,42.672 97.282,42.672 98.933,41.021 v1(98.933,40.64) ; v1(118.11,40.64) 118.237,40.513 122.319,40.513 R48.2@122.573,40.259
  Solder Side w0.381: v1(98.933,40.64) v1(118.11,40.64)
NetFreescale_Processor1_80: Freescale_Processor1.80 R47.2 | length 47
  Component Side w0.381: Freescale_Processor1.80@87.9,44.815 87.9,44.561 88.519,43.942 90.805,43.942 v1(91.059,44.196) ; v1@100.33,59.055 101.346,58.039 115.669,58.039 118.237,60.607 R47.2@118.237,62.756
  Solder Side w0.381: v1@91.567,44.069 95.885,44.069 100.33,48.514 v1(100.33,59.563)
NetIC1_7: IC1.7 R58.1 | length 4.9
  Component Side w0.381: R58.1@40.658,66.169 40.658,65.008 40.894,64.772 IC1.7@40.894,61.343
NetMAX2_13: MAX2.13 RS1.3 | length 14.1
  Component Side w0.381: RS1.3@43.815,11.809 43.815,13.462 44.767,14.414 44.767,17.589 44.958,17.78 47.544,17.78 49.403,19.639 MAX2.13@49.403,22.111
NetMAX2_14: MAX2.14 RS1.2 | length 23.6
  Component Side w0.381: RS1.2@46.585,11.809 46.609,11.785 46.609,7.366 46.99,6.985 49.276,6.985 51.435,9.144 51.435,12.827 50.673,13.589 MAX2.14@50.673,22.111
NetR1_2: R1.2 R4.2 U1.4 | length 12.4
  Component Side w0.254: 26.035,91.506 26.035,94.035
  Component Side w0.381: U1.4@24.111,86.331 24.111,89.582 26.035,91.506 ; 26.035,94.035 R1.2@27.16,95.16 R4.2@29.482,95.16
NetR2_2: R2.2 R3.2 U1.6 | length 9.6
  Component Side w0.381: R3.2@17.889,92.62 20.229,92.62 20.229,88.605 U1.6@22.503,86.331
NetR5_2: R5.2 R11.1 U1.3 | length 9.5
  Component Side w0.381: U1.3@24.911,86.331 24.911,88.194 27.16,90.443 R11.1@27.16,92.62 R5.2@29.482,92.62
NetR6_1: R6.1 R9.2 U2.6 | length 8.8
  Component Side w0.381: R6.1@15.875,75.874 R9.2@18.288,75.874 19.613,74.549 21.463,74.549 U2.6@21.463,77.163
NetR7_2: R7.2 R10.1 U1.12 | length 34.2
  Component Side w0.381: R7.2@7.112,83.675 7.638,84.201 15.585,84.201 16.111,83.675 R10.1@16.111,82.677 16.727,82.677 v1(19.12,85.07) ; U1.12@25.711,84.431 25.711,83.322 26.052,82.981 30.988,82.981 v1(30.988,83.312)
  Solder Side w0.381: v1(19.12,85.07) 25.674,85.07 27.763,82.981 30.657,82.981 v1(30.988,83.312)
NetR8_1: R8.1 U2.2 | length 3.3
  Component Side w0.381: R8.1@25.545,80.047 25.545,80.029 26.543,79.031 U2.2@26.543,77.163
NetR8_2: R8.2 U2.1 U2.5 | length 12.7
  Component Side w0.381: U2.5@22.733,77.163 22.733,79.158 25.109,81.534 28.119,81.534 R8.2@28.119,79.736 ; R8.2@27.795,79.736 27.795,77.181 U2.1@27.813,77.163
NetR12_1: R12.1 U1.11 | length 9.7
  Component Side w0.381: U1.11@24.911,84.431 24.911,82.297 24.976,82.233 29.781,82.233 30.861,81.153 30.861,80.41 R12.1@30.607,80.156
NetR12_2: R12.2 U2.3 | length 9.4
  Component Side w0.381: U2.3@25.273,77.163 25.273,75.475 25.527,75.221 29.501,75.221 30.861,76.581 30.861,77.652 R12.2@30.607,77.906
NetR35_2: R35.2 T1.1 | length 3.5
  Component Side w0.381: T1.1@30.083,22.926 32.083,22.926 R35.2@33.165,21.844
NetR37_1: R37.1 T2.1 | length 3.5
  Component Side w0.381: T2.1@30.083,18.227 30.149,18.161 32.149,18.161 R37.1@33.165,19.177
NetR50_2: R50.2 RC_T2.2 ServoMotor1.2 | length 26.7
  Component Side w0.381: R50.2@80.425,95.665 R50.2@80.425,95.184 81.28,96.039 81.28,99.441 81.788,99.949 96.901,99.949 98.044,98.806 ServoMotor1.2@98.044,97.917 ; R50.2@80.427,95.014 80.427,94.148 81.743,92.832 RC_T2.2@82.296,92.832
NetR51_A_1: R51_A.1 R52_A.1 SMPS-A1_A.4 | length 5
  Component Side w0.381: R52_A.1@127.865,30.269 127.865,27.693 127.92,27.748 SMPS-A1_A.4@130.278,27.748
NetR51_D_1: R51_D.1 R52_D.1 SMPS-A1_D.4 | length 5.1
  Component Side w0.381: SMPS-A1_D.4@121.92,10.74 121.975,10.795 R51_D.1@124.206,10.795 R52_D.1@124.206,7.965
NetR53_A_2: R53_A.2 SMPS-A1_A.5 | length 4.5
  Component Side w0.381: R53_A.2@127.889,20.363 129.583,20.363 130.278,21.058 SMPS-A1_A.5@130.278,22.848
NetR53_D_2: R53_D.2 SMPS-A1_D.5 | length 4.7
  Component Side w0.381: SMPS-A1_D.5@121.92,15.64 121.92,17.762 122.537,18.379 R53_D.2@124.206,18.379
NetRC_R1_2: RC_R1.2 RC_T1.1 | length 3.6
  Component Side w0.381: RC_T1.1@86.823,90.805 RC_T1.1@87.376,90.805 90.061,90.805 RC_R1.2@90.315,90.551
NetRC_R2_2: RC_R2.2 RC_T2.1 | length 6.1
  Component Side w0.381: RC_R2.2@76.962,92.311 77.325,91.948 78.105,91.948 79.248,90.805 RC_T2.1@82.423,90.805
PA0: AR_DIG1.8 Freescale_Processor1.41 PA1.1 | length 67.4
  Component Side w0.381: v1(71.374,74.295) 71.12,74.549 69.031,74.549 63.563,69.082 63.563,62.547 66.833,59.278 Freescale_Processor1.41@73.437,59.278
  Solder Side w0.381: v1(71.374,74.295) 75.184,74.295 80.518,79.629 AR_DIG1.8@80.518,81.407 80.518,84.028 81.072,84.582 100.33,84.582 102.362,86.614 PA1.1@102.362,87.376
PA1: AR_DIG1.7 Freescale_Processor1.42 PA1.2 | length 67.1
  Component Side w0.381: v1(71.374,75.819) 69.492,75.819 62.992,69.319 62.992,62.311 66.675,58.628 Freescale_Processor1.42@73.437,58.628
  Solder Side w0.381: v1(71.374,75.819) 75.057,75.819 77.978,78.74 AR_DIG1.7@77.978,81.407 77.978,84.074 79.248,85.344 98.933,85.344 99.822,86.233 PA1.2@99.822,87.376
PA2: AR_DIG2.6 Freescale_Processor1.43 PA1.3 | length 68.1
  Component Side w0.381: Freescale_Processor1.43@73.437,57.977 66.517,57.977 62.42,62.074 62.42,69.555 70.208,77.343 96.901,77.343 97.282,77.724 AR_DIG2.6@97.282,81.407 PA1.3@97.282,87.376
PA3: AR_DIG2.5 Freescale_Processor1.44 PA1.4 | length 67.1
  Component Side w0.381: Freescale_Processor1.44@73.437,57.327 66.359,57.327 61.849,61.837 61.849,69.792 69.971,77.915 94.742,77.915 AR_DIG2.5@94.742,81.407 PA1.4@94.742,87.376
PA4: AR_DIG2.4 Freescale_Processor1.45 PA1.5 | length 65.9
  Component Side w0.381: Freescale_Processor1.45@73.437,56.677 66.201,56.677 61.277,61.601 61.277,70.029 69.735,78.486 92.075,78.486 92.202,78.613 AR_DIG2.4@92.202,81.407 PA1.5@92.202,87.376
PA5: AR_DIG2.3 Freescale_Processor1.46 PA1.6 | length 64.5
  Component Side w0.381: Freescale_Processor1.46@73.437,56.027 66.043,56.027 60.706,61.364 60.706,70.266 69.498,79.057 89.218,79.057 89.662,79.502 AR_DIG2.3@89.662,81.407 PA1.6@89.662,87.376
PA6: AR_DIG2.2 Freescale_Processor1.47 PA1.7 | length 63.3
  Component Side w0.381: Freescale_Processor1.47@73.437,55.376 65.885,55.376 60.134,61.127 60.134,70.502 69.261,79.629 86.674,79.629 87.122,80.077 AR_DIG2.2@87.122,81.407 PA1.7@87.122,87.376
PA7: AR_DIG2.1 Freescale_Processor1.48 PA1.8 | length 62.4
  Component Side w0.381: Freescale_Processor1.48@73.437,54.726 65.727,54.726 59.563,60.89 59.563,70.739 69.025,80.2 84.582,80.2 AR_DIG2.1@84.582,81.407 PA1.8@84.582,87.376
PB4: Freescale_Processor1.20 PBHB1.4 | length 43.9
  Component Side w0.381: Freescale_Processor1.20@90.008,59.278 91.409,59.278 94.015,61.884 94.015,61.904 94.721,62.611 94.742,62.611 96.456,64.325 96.456,70.675 102.743,76.962 111.887,76.962 113.157,78.232 113.157,87.249 PBHB1.4@113.03,87.376
PB5: Freescale_Processor1.21 PBHB1.3 | length 42
  Component Side w0.381: Freescale_Processor1.21@87.9,62.402 93.644,62.402 95.885,64.643 95.885,70.912 102.506,77.534 109.791,77.534 110.49,78.232 PBHB1.3@110.49,87.376
PB6: AR_DIG2.8 Freescale_Processor1.22 PBHB1.2 | length 50.6
  Component Side w0.381: Freescale_Processor1.22@87.249,61.386 87.249,62.629 87.93,63.309 93.662,63.309 95.313,64.96 95.313,71.149 102.27,78.105 107.696,78.105 107.95,78.359 PBHB1.2@107.95,87.376
  Solder Side w0.381: AR_DIG2.8@102.362,81.407 104.493,81.407 107.95,84.864 PBHB1.2@107.95,87.376
PB7: AR_DIG2.7 Freescale_Processor1.23 PBHB1.1 | length 37.1
  Component Side w0.381: Freescale_Processor1.23@86.599,61.386 86.599,62.787 87.693,63.881 93.345,63.881 94.742,65.278 94.742,71.386 99.695,76.339 99.695,81.28 AR_DIG2.7@99.822,81.407
  Solder Side w0.381: AR_DIG2.7@99.822,81.407 99.822,81.788 PBHB1.1@105.41,87.376
PEX0: IC1.9 PEX1.3 | length 17
  Component Side w0.381: IC1.9@38.354,61.343 v1(38.354,64.772)
  Solder Side w0.381: PEX1.3@32.639,54.612 35.687,57.66 35.687,63.883 36.576,64.772 v1(38.354,64.772)
PEX1: IC1.10 PEX1.4 | length 9.6
  Component Side w0.381: PEX1.4@30.099,54.612 30.099,54.229 30.988,53.34 34.927,53.34 36.324,51.943 IC1.10@38.354,51.943
PEX2: IC1.11 PEX1.5 | length 27.3
  Component Side w0.381: PEX1.5@32.639,57.152 32.002,57.152 30.734,58.42 28.827,58.42 27.051,56.644 27.051,51.691 29.337,49.405 38.608,49.405 39.624,50.421 IC1.11@39.624,51.943